# Altium PCB MCU021_V1.0_PCB.PcbDoc (part 3 of 3)
Units mil, origin at the board's own origin, x right, y up, seen from the top; angles counter-clockwise.
Board outline 2300 x 3100 mil, 4 copper layers (Top Layer, GND, Vcc, Bottom Layer), stack 60.63 mil thick; 177 components, 105 nets, 514 pads, 460 vias.
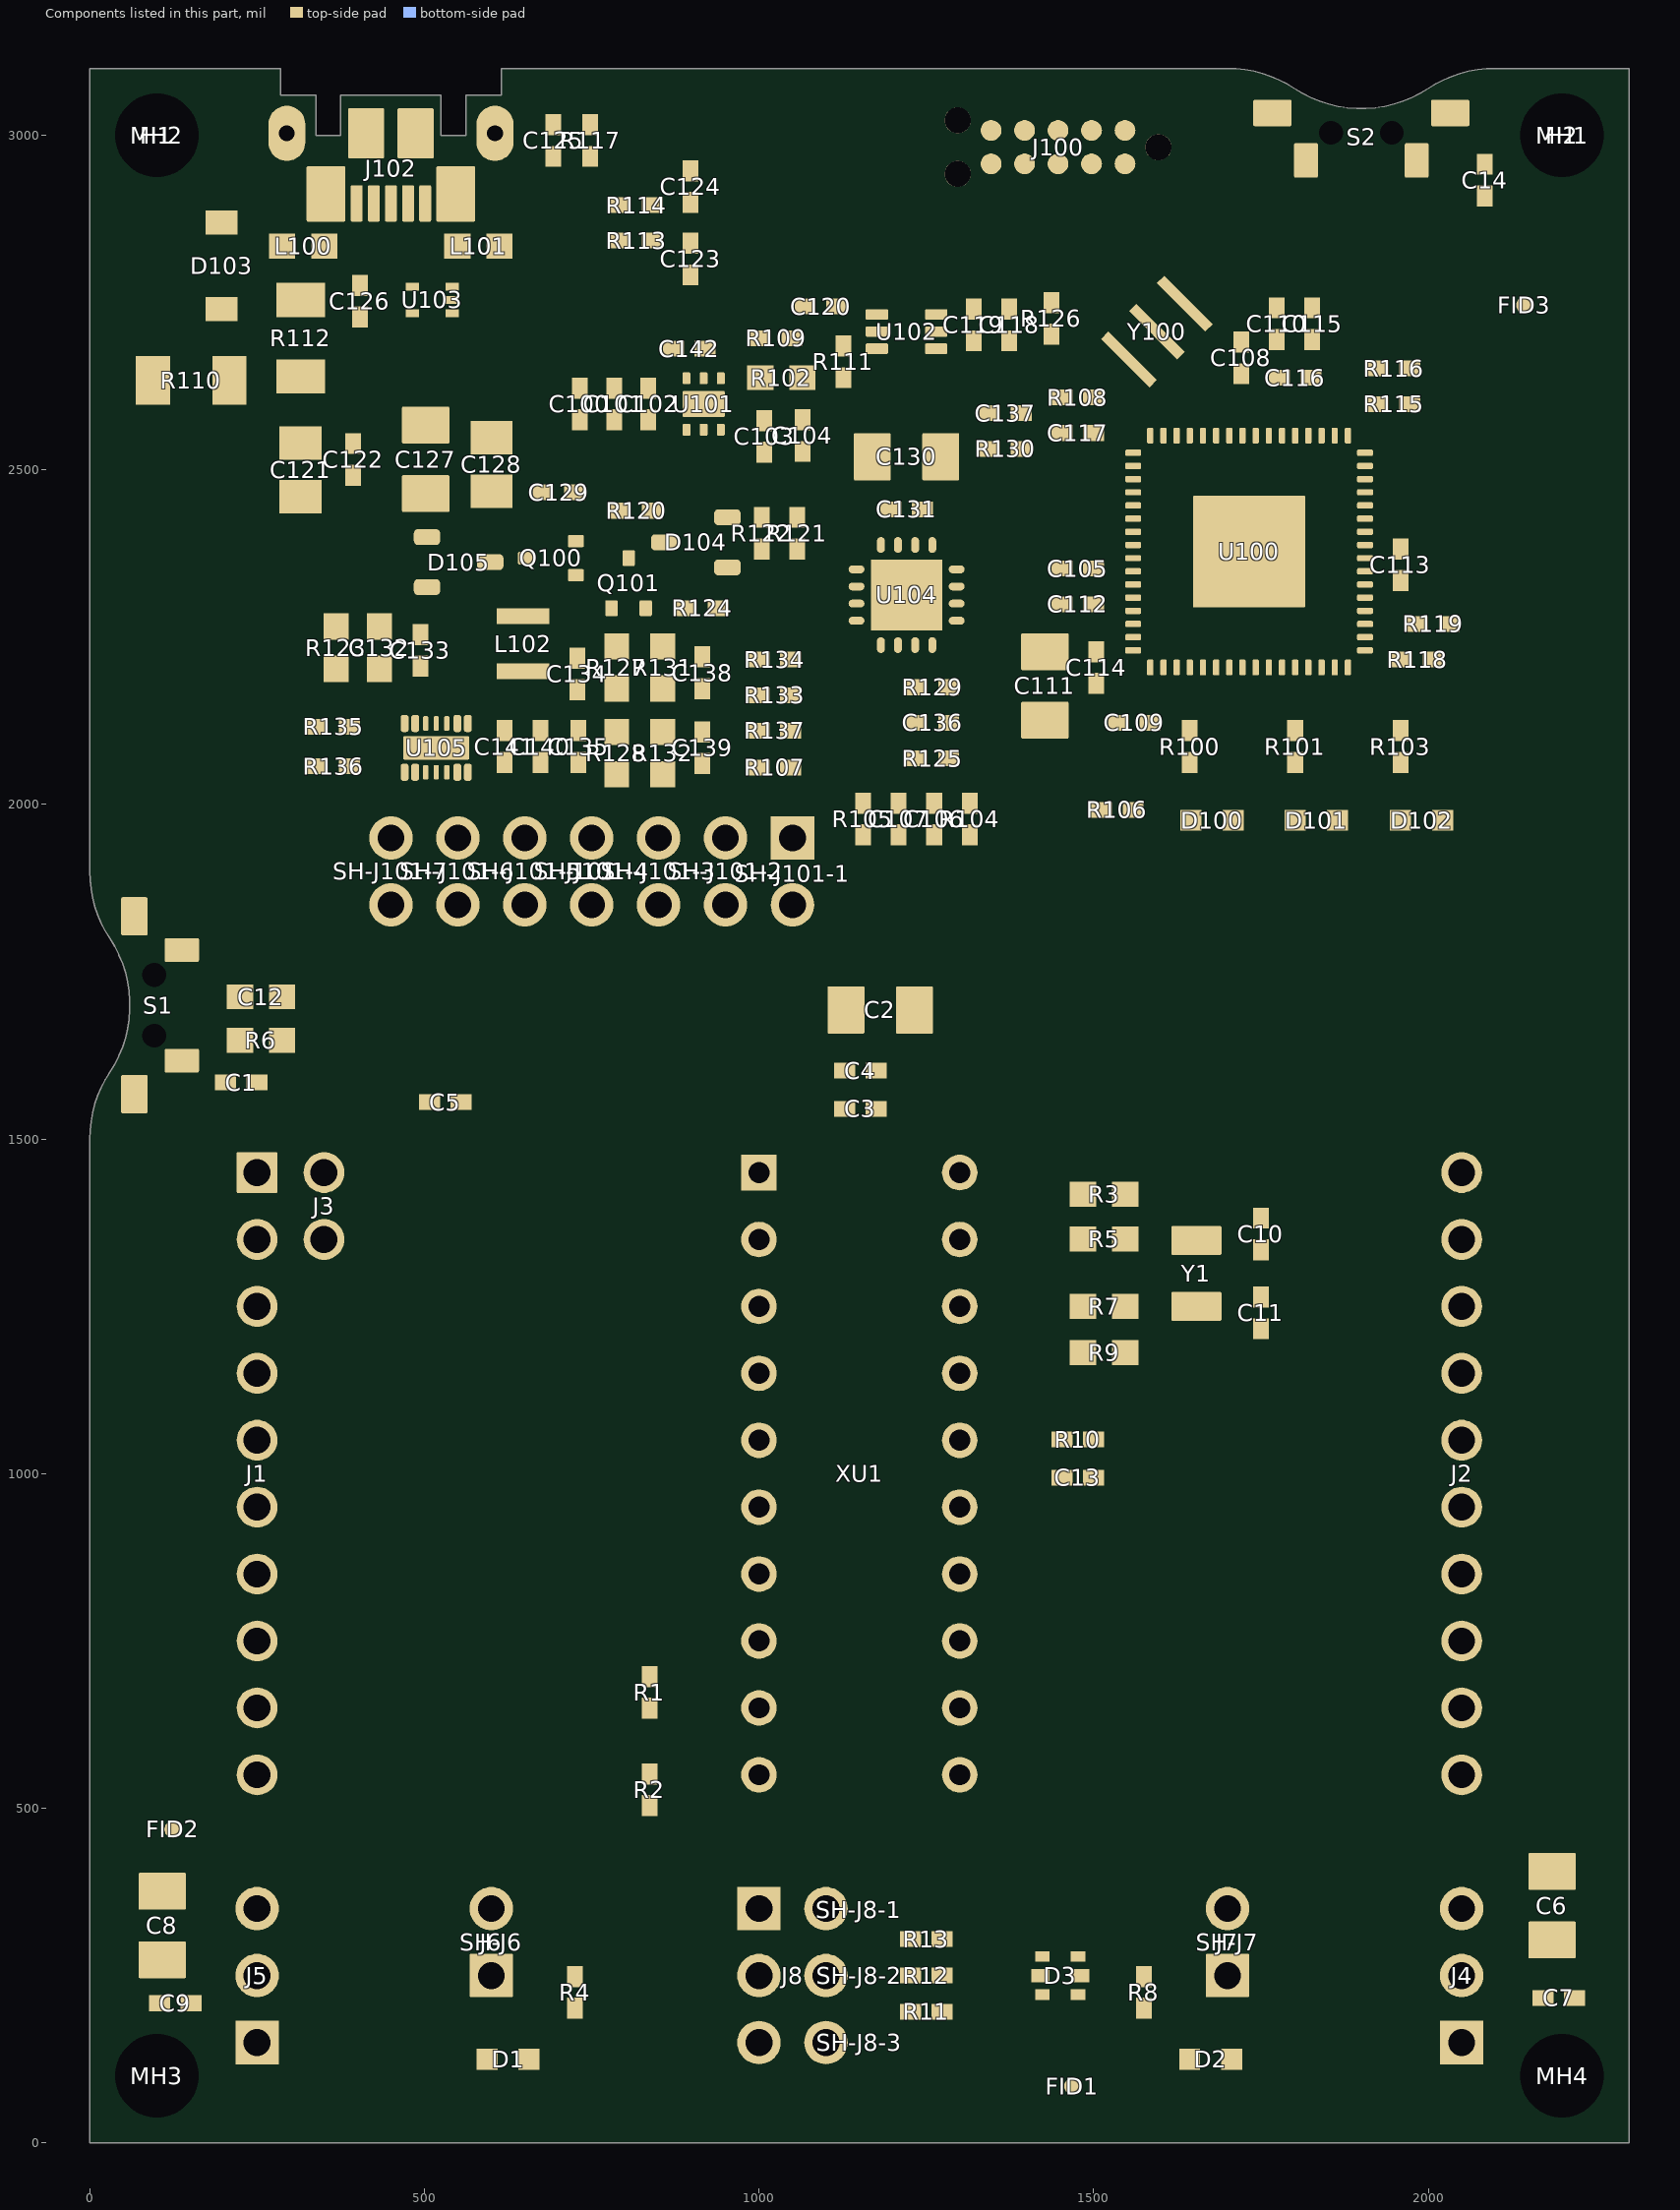
[diagram p5: the components of this part, seen from the top]

## Polygon pours and split planes (outlines as drawn)
EZ_GND on GND "GND-Layer_ezGND" (solid, remove dead copper, pour order 18): 0,1893.22 2003.22,1893.22 2080,1970 2080,2790 1970,2900 1750,2900 1700,2950 1700,3100 0,3100
GND on GND "GND-GND_Target" (solid, remove dead copper, pour order 24): 0,3100 2300,3100 2300,0 0,0
EZFET_VBUS on Top Layer "Top-Layer-ezFET_VBUS" (solid, remove dead copper, pour order 0): 1831.89,2677.17 1893.7,2677.17 1893.7,2779.53 1822.83,2850.39 996.06,2850.39 885.83,2740.16 645.67,2740.16 645.67,2614.76 740.43,2520 858,2520 858,2596 712,2596 712,2686 831.67,2686 849.65,2703.98 952.02,2703.98 972.44,2724.41 1518.9,2724.41 1604.33,2809.84 1808.27,2809.84 1831.89,2786.22 1831.89,2721.65 1809.84,2721.65 1809.84,2677.17
EZ_GND on Top Layer "Top-Layer_ezGND" (solid, remove dead copper, pour order 2): 0,1893.7 2003.7,1893.7 2080,1970 2080,2790 1970,2900 1750,2900 1700,2950 1700,3100 0,3100
GND on Top Layer "Top-GND_Target" (solid, remove dead copper, pour order 26): 0,3100 2300,3100 2300,0 0,0
5.0V on Vcc "Vcc-5v" (solid, pour order 8): 503.94,1874.02 511.81,1881.89 590.55,1881.89 603.15,1869.29 603.15,437.4 282.68,116.93 201.18,116.93 133.07,185.04 133.07,399.61 209.45,475.98 372.83,475.98 392.52,495.67 392.52,1365.75 390.16,1365.75 311.02,1444.88 311.02,1530.32 503.94,1723.23
EZFET_VCC on Vcc "Vcc-ezFET_Vcc" (solid, remove dead copper, pour order 4): 598.43,2177.17 598.43,2137.8 610.24,2125.98 688.98,2125.98 1069.68,2506.69 1535.83,2506.69 1610.24,2432.28 1610.24,2410.24 1546.46,2346.46 1511.81,2346.46 1433.07,2267.72 1374.41,2267.72 1350.39,2243.7 1350.39,2212.6 1370.08,2192.91 1582.28,2192.91 1836.61,2447.24 1883.46,2447.24 1964.57,2366.14 2007.48,2366.14 2015.75,2374.41 2015.75,2401.97 1976.38,2441.34 1933.07,2441.34 1881.89,2492.52 1747.64,2492.52 1644.09,2596.06 1540.16,2596.06 1417.72,2718.5 1417.72,3057.09 1412.2,3062.6 1251.57,3062.6 1201.97,3012.99 1202.36,2804.33 598.03,2200 598.03,2172.44
EZFET_VBUS on Vcc "Vcc-ezFET_VBUS" (solid, remove dead copper, pour order 6): 634.25,2696.85 338.19,2696.85 127.17,2485.83 127.17,1981.1 214.57,1893.7 570.87,1893.7 594.49,1917.32 594.49,1995.67 584.65,2005.51 279.53,2005.51 233.07,2051.97 233.07,2446.85 400.39,2614.17 631.1,2614.17 642.13,2625.2 642.13,2688.98
EZ_GND on Vcc "Vcc-Layer_ezGND" (solid, remove dead copper, pour order 12): 0,1893.69 74374.25,1897.13 1999.76,1889.76 2080,1970 2080,2790 1970,2900 1750,2900 1700,2950 1700,3100 0,3100
GND on Vcc "Vcc-GND_Target" (solid, remove dead copper, pour order 22): 0,3100 2300,3100 2300,0 0,0
3.3V on Vcc "Vcc-3V3" (solid, pour order 10): 981.5,1721.65 995.28,1735.43 1912.2,1735.43 1976.38,1671.26 1976.38,509.45 1998.03,487.8 2053.94,487.8 2125.98,415.75 2186.22,355.51 2186.22,220.87 2082.68,117.32 1890.55,117.32 1827.17,180.71 1827.17,1503.15 1682.68,1647.64 992.52,1647.64 981.5,1658.66
GND on Bottom Layer "Bottom-Layer_GND_Target" (solid, remove dead copper, pour order 28): 0,3100 2300,3100 2300,0 0,0
EZ_GND on Bottom Layer "Bottom-Layer_ezGND" (solid, remove dead copper, pour order 20): 2.36,1893.7 2003.94,1893.7 2080,1969.76 2080,2790 1969.61,2900.39 1749.61,2900.39 1700,2950 1700,3060 2.36,3060

## Keep-outs
Top Layer:
  circle w0.04: c374.02,2775.59 r13.71
  circle w0.04: c1452.76,2520.08 r14.17
  lines w0.04: 39.71,2591.34 162.99,2591.34 ; 39.71,2874.64 50.6,2874.64 ; 460.63,2072.39 460.63,2096.39 ; 678.33,2389.76 698.33,2389.76 ; 906.69,1893.7 1366.14,1893.7 ; 967.64,2066.89 978.31,2066.97 ; 1062.6,2182.48 1062.6,2197.36 ; 1178.35,2629.92 1179.09,2629.92 1186.39,2637.22 ; 1221.06,2086.81 1221.06,2103.37 ; 1221.14,2139.9 1221.14,2156.95 ; 1266.5,2140.26 1266.5,2157.3 ; 1375.96,1954.75 1384.94,1945.77 ; 1430.32,2541.73 1430.32,2566.93 ; 1438.58,2575.59 1466.14,2575.59 ; 1477.8,2710.98 1491.46,2697.32 1495.55,2697.32 ; 1537.8,2732.68 1557.48,2712.99 ; 1569.49,2762.4 1588.19,2743.7 1588.19,2738.98 1585.04,2735.83 1619.29,2701.57 1630.32,2701.57 1649.21,2682.68 1649.21,2677.17 1662.6,2663.78 1662.6,2661.02 ; 1662.99,2651.18 1662.99,2647.24 1653.15,2637.4 1638.58,2637.4 1622.83,2653.15 1617.32,2653.15 1599.61,2670.87 1599.61,2676.38 1601.97,2678.74 1564.96,2715.75 ; 1692.52,2565.35 1692.52,2568.11 1652.36,2608.27 1596.46,2608.27 1593.31,2611.42 1575.59,2611.42 1498.03,2688.98 1498.03,2694.09 1607.09,2803.15 1612.2,2803.15 1689.76,2725.59 1689.76,2720.87 1670.08,2701.18 1670.08,2694.49 1681.5,2683.07 1681.5,2632.68 1732.28,2581.89 1732.28,2566.93 ; 1696.85,2531.5 1729.92,2531.5 ; 1728.35,1246.46 1728.35,1354.72 ; 1731.89,1245.28 1732.28,1245.67 ; 2012.99,1096.85 2012.99,1103.76 2014.17,1104.94 ; 1248.03,1244.09 1283.46,1208.66 ; 1248.03,1244.09 1248.03,1354.33 ; 1248.03,1244.09 1248.03,1354.33 ; 1248.03,1244.09 1283.46,1208.66 ; 1248.03,1354.33 1283.46,1389.76 ; 1248.03,1354.33 1283.46,1389.76 ; 1283.46,1208.66 1401.97,1208.66 ; 1283.46,1208.66 1401.97,1208.66 ; 1283.46,1389.76 1401.57,1389.76 ; 1283.46,1389.76 1401.57,1389.76 ; 1401.57,1389.76 1460.63,1448.82 ; 1401.57,1389.76 1460.63,1448.82 ; 1401.97,1208.66 1461.02,1149.61 ; 1401.97,1208.66 1461.02,1149.61 ; 1460.63,1448.82 1503.94,1448.82 ; 1460.63,1448.82 1503.94,1448.82 ; 1461.02,1149.61 1503.94,1149.61 ; 1461.02,1149.61 1503.94,1149.61 ; 1503.94,1149.61 1515.75,1161.42 ; 1503.94,1149.61 1515.75,1161.42 ; 1503.94,1448.82 1515.75,1437.01 ; 1503.94,1448.82 1515.75,1437.01 ; 1515.75,1161.42 1515.75,1204.72 ; 1515.75,1161.42 1515.75,1204.72 ; 1515.75,1204.72 1523.62,1212.6 ; 1515.75,1204.72 1523.62,1212.6 ; 1515.75,1393.7 1523.62,1385.83 ; 1515.75,1393.7 1515.75,1437.01 ; 1515.75,1393.7 1515.75,1437.01 ; 1515.75,1393.7 1523.62,1385.83 ; 1523.62,1212.6 1673.23,1212.6 ; 1523.62,1212.6 1673.23,1212.6 ; 1523.62,1385.83 1673.23,1385.83 ; 1523.62,1385.83 1673.23,1385.83 ; 1557.48,2712.99 1557.48,2712.99 ; 1557.48,2712.99 1562.2,2712.99 1564.96,2715.75 ; 1564.96,2715.75 1564.96,2715.75 ; 1673.23,1212.6 1692.91,1192.91 ; 1673.23,1212.6 1692.91,1192.91 ; 1673.23,1385.83 1692.91,1405.51 ; 1673.23,1385.83 1692.91,1405.51 ; 1692.91,1192.91 1763.78,1192.91 ; 1692.91,1192.91 1763.78,1192.91 ; 1692.91,1405.51 1763.78,1405.51 ; 1692.91,1405.51 1763.78,1405.51 ; 1763.78,1192.91 1771.65,1200.79 ; 1763.78,1192.91 1771.65,1200.79 ; 1763.78,1405.51 1771.65,1397.64 ; 1763.78,1405.51 1771.65,1397.64 ; 1771.65,1200.79 1771.65,1397.64 ; 1771.65,1200.79 1771.65,1397.64
GND:
  circle w0.04: c1645.75,2655.47 r17.8
  circle w0.04: c1750,1299.21 r18.96
  lines w0.04: 1248.03,1244.09 1283.46,1208.66 1401.97,1208.66 1461.02,1149.61 1503.94,1149.61 1515.75,1161.42 1515.75,1204.72 1523.62,1212.6 1673.23,1212.6 1692.91,1192.91 1763.78,1192.91 1771.65,1200.79 1771.65,1397.64 1763.78,1405.51 1692.91,1405.51 1673.23,1385.83 1523.62,1385.83 1515.75,1393.7 1515.75,1437.01 1503.94,1448.82 1460.63,1448.82 1401.57,1389.76 1283.46,1389.76 1248.03,1354.33 1248.03,1244.09 ; 1498.03,2688.98 1575.59,2611.42 1593.31,2611.42 1596.46,2608.27 1652.36,2608.27 1692.52,2568.11 1692.52,2531.5 1732.28,2531.5 1732.28,2581.89 1681.5,2632.68 1681.5,2683.07 1670.08,2694.49 1670.08,2701.18 1689.76,2720.87 1689.76,2725.59 1612.2,2803.15 1607.09,2803.15 1498.03,2694.09 1498.03,2688.98
Vcc:
  circle w0.04: c1645.75,2655.47 r17.8
  circle w0.04: c1750,1299.21 r22.17
  lines w0.04: 1327.56,1432.68 1376.38,1432.68 ; 1329.13,1464.96 1362.99,1464.96 1378.74,1480.71 1390.16,1480.71 1733.46,1480.71 1803.54,1410.63 1803.54,1330.32 1771.65,1298.43 ; 1393.7,1448.82 1444.88,1448.82 1460.63,1448.82 ; 1477.17,2668.11 1498.03,2688.98 ; 1634.65,2641.34 1634.65,2624.8 1651.18,2608.27 ; 1657.48,2637.8 1658.27,2637.8 1732.28,2563.78 ; 1696.85,2563.78 1725.2,2535.43 ; 1498.03,2688.98 1498.03,2694.09 1607.09,2803.15 1612.2,2803.15 1689.76,2725.59 1689.76,2720.87 1670.08,2701.18 1670.08,2694.49 1681.5,2683.07 1681.5,2632.68 1732.28,2581.89 1732.28,2531.5 1692.52,2531.5 1692.52,2568.11 1652.36,2608.27 1596.46,2608.27 1593.31,2611.42 1575.59,2611.42 1498.03,2688.98 ; 1498.03,2688.98 1498.03,2688.98 ; 1503.94,1448.82 1515.75,1437.01 1515.75,1393.7 1523.62,1385.83 1673.23,1385.83 1692.91,1405.51 1763.78,1405.51 ; 1503.94,1448.82 1392.52,1448.82 1333.46,1389.76 1283.46,1389.76 1248.03,1354.33 1248.03,1244.09 1283.46,1208.66 1401.97,1208.66 1461.02,1149.61 1503.94,1149.61 1515.75,1161.42 1515.75,1204.72 1523.62,1212.6 1673.23,1212.6 1692.91,1192.91 1763.78,1192.91 1771.65,1200.79 1771.65,1397.64 1763.78,1405.51 ; 1503.94,1448.82 1720.47,1448.82 1763.78,1405.51
Bottom Layer:
  circle w0.04: c1645.75,2655.47 r17.8
  circle w0.04: c1750,1299.21 r18.96
  lines w0.04: 422.84,2075.15 422.84,2098.08 ; 912.6,2001.75 912.6,2017.32 ; 1119.74,2048.88 1119.74,2057.42 ; 1638.36,2473.4 1643.26,2478.3 1645.3,2478.3 ; 1813.36,2157.11 1814.35,2157.11 ; 1957.74,2175.26 1970.3,2175.26 ; 1248.03,1244.09 1283.46,1208.66 1401.97,1208.66 1461.02,1149.61 1503.94,1149.61 1515.75,1161.42 1515.75,1204.72 1523.62,1212.6 1673.23,1212.6 1692.91,1192.91 1763.78,1192.91 1771.65,1200.79 1771.65,1397.64 1763.78,1405.51 1692.91,1405.51 1673.23,1385.83 1523.62,1385.83 1515.75,1393.7 1515.75,1437.01 1503.94,1448.82 1460.63,1448.82 1401.57,1389.76 1283.46,1389.76 1248.03,1354.33 1248.03,1244.09 ; 1498.03,2688.98 1575.59,2611.42 1593.31,2611.42 1596.46,2608.27 1652.36,2608.27 1692.52,2568.11 1692.52,2531.5 1732.28,2531.5 1732.28,2581.89 1681.5,2632.68 1681.5,2683.07 1670.08,2694.49 1670.08,2701.18 1689.76,2720.87 1689.76,2725.59 1612.2,2803.15 1607.09,2803.15 1498.03,2694.09 1498.03,2688.98
Keep-Out Layer:
  text ".Layer_Name" at -661.78,-1804.56 h60

## Other copper
Top Layer:
  region net 3.3V: 814.96,1429.53 948.43,1562.99 948.43,1590.16 1026.77,1511.81 1026.77,1448.03 949.21,1370.47 814.96,1370.47
  region net 5.0V: 140.94,301.18 143.7,301.18 236.22,208.66 275.59,208.66 291.34,192.91 291.34,122.05 283.46,114.17 208.66,114.17 128.35,194.49 128.35,232.28 116.14,232.28 102.36,246.06 102.36,262.6
  region net EZFET_VCC: 1905.51,2372.83 1916.14,2372.83 1940.94,2397.64 1948.43,2397.64 1948.43,2367.72 1944.09,2363.39 1905.51,2363.39
  region net EZFET_VCC: 1479.92,2318.9 1519.68,2318.9 1535.43,2334.65 1570.87,2334.65 1574.8,2330.71 1574.8,2326.77 1570.87,2322.83 1547.24,2322.83 1535.43,2311.02 1535.43,2259.84 1539.37,2255.91 1570.87,2255.91 1574.8,2251.97 1574.8,2248.03 1570.87,2244.09 1539.37,2244.09 1535.43,2240.16 1535.43,2208.66 1531.5,2204.72 1484.25,2204.72 1472.44,2192.91 1370.08,2192.91 1350.39,2212.6 1350.39,2240.16 1370.08,2259.84 1437.01,2259.84 1456.69,2279.53 1472.44,2279.53 1476.38,2283.46 1476.38,2315.35
  region net EZFET_USB_SHIELD: 263.78,3038.78 272.24,3047.24 314.96,3047.24 326.77,3035.43 326.77,2984.25 330.71,2980.31 377.95,2980.31 385.83,2988.19 385.83,3038.98 387.4,3040.55 512.6,3040.55 514.17,3038.98 514.17,2986.61 520.47,2980.31 570.87,2980.31 574.8,2984.25 574.8,3031.5 590.55,3047.24 763.78,3047.24 767.72,3043.31 767.72,3000 763.78,2996.06 641.73,2996.06 637.8,2992.13 637.8,2976.38 582.68,2921.26 582.68,2874.02 574.8,2866.14 519.68,2866.14 516.54,2869.29 516.54,2932.28 511.81,2937.01 389.37,2937.01 383.46,2931.1 383.46,2871.65 377.95,2866.14 322.83,2866.14 318.9,2870.08 318.9,2952.76 314.96,2956.69 272.05,2956.69 263.78,2964.96
  region net NetD105_3: 574.8,2389.76 669.29,2389.76 696.85,2362.2 696.85,2263.78 692.91,2259.84 606.3,2259.84 602.36,2263.78 602.36,2283.46 570.87,2314.96 570.87,2385.83
  region net NetJ102_1: 326.77,2854.33 330.71,2858.27 381.89,2858.27 389.76,2866.14 389.76,2924.02 391.34,2925.59 406.3,2925.59 407.87,2924.02 407.87,2814.96 403.94,2811.02 330.71,2811.02 326.77,2814.96
  region net NetJ102_5: 574.8,2854.33 570.87,2858.27 518.11,2858.27 510.24,2866.14 510.24,2924.02 508.66,2925.59 493.7,2925.59 492.13,2924.02 492.13,2814.96 496.06,2811.02 570.87,2811.02 574.8,2814.96
  region net NetD103_2: 311.02,2893.7 307.09,2897.64 82.64,2897.64 55.12,2870.12 55.12,2602.36 59.45,2598.03 145.67,2598.03 149.61,2602.36 149.61,2795.28 165.35,2811.02 307.48,2811.02 311.02,2814.57
  region net EZFET_5V: 169.29,2677.16 173.23,2681.1 377.95,2681.1 464.57,2594.49 649.21,2594.49 735.83,2507.87 807.09,2507.87 811.02,2503.94 811.03,2409.45 794.88,2393.31 771.26,2393.31 759.84,2381.89 712.6,2381.89 704.72,2389.76 704.72,2476.77 677.56,2503.94 429.13,2503.94 417.32,2515.75 366.14,2515.75 358.27,2507.87 173.23,2507.87 169.29,2511.81
  region net EZFET_VBUS: 173.23,2791.34 169.29,2787.4 169.29,2704.72 173.23,2700.79 389.76,2700.79 476.38,2614.17 659.06,2614.17 659.05,2740.16 531.5,2740.16 503.94,2712.6 456.69,2712.6 421.26,2748.03 385.83,2748.03 358.27,2748.03 354.33,2751.97 354.33,2787.4 350.39,2791.34
  region net EZFET_VCCOUT: 405.51,2185.04 409.45,2181.1 460.63,2129.92 460.63,2110.63 462.99,2108.27 490.16,2108.27 492.13,2110.24 492.13,2169.29 503.94,2181.1 669.29,2181.1 708.66,2141.73 708.66,2090.55 712.6,2086.61 818.9,2086.61 822.83,2090.55 822.83,2188.98 816.93,2194.88 712.6,2194.88 679.13,2228.35 409.45,2228.35 405.51,2224.41
  region net EZFET_VCC: 547.24,2133.86 568.56,2133.86 571.32,2131.1 587.8,2131.1 618.11,2161.42 673.23,2161.42 696.85,2137.8 696.85,2090.55 586.61,2090.55 568.9,2108.27 547.24,2108.27
  region net NetC132_2: 374.02,2285.43 425.2,2285.43 425.2,2246.06 374.02,2246.06
  region net EZFET_VCCTARGET: 464.57,2008.33 468.5,2004.39 572.49,2004.39 606.3,1970.58 606.3,1915.36 608.27,1913.39 688.98,1913.39 692.91,1917.32 692.91,2035.43 689.37,2038.98 570.47,2038.98 543.31,2038.98 543.31,2035.43 539.37,2031.5 496.06,2031.5 492.13,2035.43 492.13,2057.09 464.57,2057.09
  region net EZ_GND: 270.87,2501.48 362.6,2501.58 368.9,2507.87 416.16,2507.87 426.38,2497.65 673.58,2497.29 698.43,2472.44 698.43,2435.04 680.71,2417.32 559.06,2417.32 555.12,2413.39 555.12,2271.26 518.5,2234.65 471.65,2234.65 471.65,2276.38 347.24,2400.79 279.92,2400.79 270.87,2409.84
  region net EZ_GND: 389.76,2228.35 389.76,2181.1 385.83,2177.17 279.53,2177.17 275.59,2181.1 275.59,2225.2 278.74,2228.35
  region net EZ_GND: 578.74,2078.74 712.6,2078.74 712.6,2047.24 578.74,2047.24
  region net EZFET_VCC: 1043.31,2657.48 1047.24,2661.42 1137.8,2661.42 1216.54,2582.68 1216.54,2375.98 1173.23,2375.98 1173.23,2388.77 1129.92,2432.08 1129.92,2541.73 1112.6,2559.06 1046.46,2559.06 1043.31,2562.2
  region net EZ_GND: 1903.94,2357.48 1963.39,2357.48 1970.47,2350.39 1970.47,2339.53 1903.94,2339.53
  region net 3.3V: 998.03,1742.13 1161.42,1742.13 1181.1,1722.44 1181.1,1658.66 1149.61,1627.17 1149.61,1442.13 1130.71,1423.23 964.96,1423.23 948.82,1439.37 948.82,1600.79 992.13,1644.09 991.73,1644.49 991.73,1735.83
  region net 3.3V: 2220.47,277.17 2220.47,263.78 2192.91,236.22 2192.91,200.79 2173.23,181.1 2153.94,181.1 2090.55,117.72 2017.72,117.72 2017.72,182.28 2083.86,182.28 2149.61,248.03 2149.61,277.17
  region net EZFET_VBUS: 852,2596 858,2596 884,2570 902,2570 904,2568 904,2550 910,2544 924,2544 930,2550 930,2568 932,2570 948,2570 950,2568 950,2526 944,2520 852,2520
  region net EZFET_LDOOUT: 930,2644 936,2650 950,2650 980,2680 980,2710 986,2716 1020,2716 1026,2710 1026,2552 1024,2550 984,2550 980,2554 980,2596 950,2626 934,2626 930,2630
  text ".Layer_Name" at -661.78,-1804.56 h60
GND:
  text ".Layer_Name" at -661.78,-1804.56 h60
Vcc:
  text ".Layer_Name" at -661.78,-1799.8 h60
Bottom Layer:
  text ".Layer_Name" at -661.78,-1804.56 h60

## Silkscreen, mask and mechanical layers (free items; w line width, h text height)
Top Overlay:
  circle w10: c1064,2018 r4.06
  circle w19.68: c893.7,1435.04 r9.84
  rectangle: 1429,1628.97 1454,1678.97
  rectangle: 1549,1626.97 1574,1676.97
  rectangle: 1721,1626.97 1746,1676.97
  rectangle: 1680,1626.97 1705,1676.97
  lines w2.36: 848,2526 856,2526 880,2550
  lines w3.94: 236.22,2311.02 236.22,2429.13 ; 236.22,2362.2 460.63,2362.2 ; 240.16,2529.53 240.16,2559.06 267.32,2586.22 267.32,2594.49 ; 271.65,1968.5 279.53,1968.5 279.53,2015.75 299.21,2035.43 299.21,2118.11 307.09,2118.11 ; 271.65,2011.81 279.53,2011.81 ; 275.59,2062.99 275.59,2271.65 ; 275.59,2157.48 688.98,2157.48 ; 279.53,2874.02 279.53,2901.57 ; 299.21,2059.06 307.09,2059.06 ; 389.76,2019.68 433.07,2019.68 452.76,2039.37 ; 401.57,2322.83 433.07,2322.83 433.07,2299.21 ; 460.63,2314.96 460.63,2421.26 ; 622.05,2145.67 622.05,2157.48 ; 646.85,1536.81 690.16,1536.81 ; 646.85,1566.34 690.16,1566.34 ; 654.72,1464.57 654.72,1507.87 ; 684.25,1464.57 684.25,1507.87 ; 688.98,2145.67 688.98,2157.48 ; 688.98,2173.23 688.98,2157.48 ; 688.98,3040.13 688.98,3070.87 716.54,3070.87 ; 838.58,2925.2 838.58,2976.38 ; 992.13,2357.51 992.13,2326.77 996.06,2326.77 ; 1078.74,2370.08 1102.36,2370.08 1102.36,2381.89 ; 1287.4,2622.05 1303.21,2622.05 1320.11,2605.15 ; 1318.9,2066.93 1326.77,2066.93 ; 1318.9,2125.98 1326.77,2125.98 ; 1318.9,2173.23 1326.77,2173.23 1326.77,2066.93 ; 1354.33,1991.54 1362.2,1991.54 ; 1354.33,2035.43 1362.2,2035.43 ; 1362.2,1948.82 1354.33,1948.82 1354.33,2051.97 1351.18,2055.12 1338.58,2055.12 1326.77,2066.93 ; 1430.51,2644.29 1440.94,2644.29 1440.94,2629.92 ; 1488.19,2098.43 1488.19,2156.72 ; 1594.92,2062.99 1594.92,2100.75 ; 638.98,1550.59 698.03,1550.59 ; 638.98,1550.59 638.98,1580.12 698.03,1580.12 698.03,1550.59 ; 638.98,1550.59 698.03,1550.59 ; 638.98,1550.59 638.98,1521.06 698.03,1521.06 698.03,1550.59 ; 668.5,1456.69 668.5,1515.75 ; 668.5,1456.69 698.03,1456.69 698.03,1515.75 668.5,1515.75 ; 668.5,1456.69 668.5,1515.75 ; 668.5,1456.69 638.98,1456.69 638.98,1515.75 668.5,1515.75
  lines w5: 1605,1531.97 1605,1720 ; 1385,1531.97 1808,1531.97 1808,1720 1385,1720 1385,1531.97 ; 1429,1628.97 1454,1628.97 1454,1678.97 1429,1678.97 1429,1628.97 ; 1469,1628 1494,1628 1494,1678 1469,1678 1469,1628 ; 1509,1626.97 1509,1676.97 1534,1676.97 1534,1626.97 1509,1626.97 ; 1549,1626.97 1574,1626.97 1574,1676.97 1549,1676.97 1549,1626.97 ; 1640,1626.97 1640,1676.97 1665,1676.97 1665,1626.97 1640,1626.97 ; 1680,1626.97 1680,1676.97 1705,1676.97 1705,1626.97 1680,1626.97 ; 1721,1626.97 1746,1626.97 1746,1676.97 1721,1676.97 1721,1626.97 ; 1760,1627 1766.25,1627 1778.75,1627 1785,1627 1785,1677 1760,1677 1760,1627
  lines w7.87: 0,800 100,800 ; 0,1896.06 100,1896.06 ; 200,800 300,800 ; 200,1896.06 300,1896.06 ; 400,800 500,800 ; 400,1896.06 500,1896.06 ; 600,800 700,800 ; 600,1896.06 700,1896.06 ; 800,800 900,800 ; 800,1896.06 900,1896.06 ; 1000,800 1100,800 ; 1000,1896.06 1100,1896.06 ; 1200,800 1300,800 ; 1400,800 1500,800 ; 1400,1896.06 1500,1896.06 ; 1600,800 1700,800 ; 1600,1896.06 1700,1896.06 ; 1800,800 1900,800 ; 1800,1896.06 1900,1896.06 ; 2000,800 2100,800 ; 2000,1896.06 2100,1896.06 ; 2118.11,1082.68 2240.16,1082.68 ; 2200,800 2300,800 ; 2200,1896.06 2300,1896.06
  text "Reset" at 1866.14,2881.89 h39.37
  text "MSP-EXP430G2ET" at 2153.54,1929.13 h49.21 r90
  text ".PRJ_Number Rev..PCB_Rev, (c) Sep 2017" at 2216.54,1925.2 h29.53 r90
  text "eZ-FET Debug Probe Rev.2.0" at 2287.4,1921.26 h29.53 r90
  text "Mode" at 1629.92,1909.45 h29.53
  text "Power" at 1783.46,1909.45 h29.53
  text "LDO" at 1960.63,1908.39 h29.53
  text "MSP430G2xxx" at 1590.55,1846.46 h29.53
  text "P1.3" at 177.17,1822.83 h39.37
  text "Crystal Selection / Resistors" at 1360,1730 h30
  text "R9" at 1430,1688 h20
  text "R3" at 1544,1688 h20
  text "R7" at 1670,1686.97 h20
  text "R5" at 1720,1686 h20
  text "P2.7" at 1405,1596.97 h20
  text "P2.6" at 1525,1596.97 h20
  text "XOUT" at 1630,1596 h20
  text "XIN" at 1722,1594 h20
  text "J2 Pins" at 1400,1551.97 h29.53
  text "Crystal" at 1615,1551.97 h29.53
  text "HW-UART" at 708.66,1534.84 h29.53
  text "(Default)" at 1384.45,1480.71 h30
  text "SW-UART" at 708.66,1470.47 h29.53
  text "PWM" at 1868.11,1332.68 h39.37
  text "P1.0" at 39.37,1330.71 h39.37
  text "P2.6" at 2127.95,1331.1 h39.37
  text "I/O" at 1875.98,1232.28 h39.37
  text "P1.1" at 39.37,1230.71 h39.37
  text ">> RXD" at 327.95,1231.1 h39.37
  text "P2.7" at 2127.95,1231.1 h39.37
  text "P1.2" at 39.37,1130.71 h39.37
  text "<< TXD" at 327.95,1131.1 h39.37
  text "TEST" at 2127.95,1131.1 h39.37
  text "P1.3" at 39.37,1030.71 h39.37
  text "I/O" at 327.95,1031.1 h39.37
  text "RST" at 2127.95,1031.1 h39.37
  text "P1.4" at 39.37,930.71 h39.37
  text "A4" at 327.95,931.1 h39.37
  text "P1.7" at 2127.95,931.1 h39.37
  text "MOSI" at 1844.49,929.13 h39.37
  text "MSP430G2xxx" at 920,900 h39.37 r90
  text "P1.5" at 39.37,830.71 h39.37
  text "SCLK" at 327.95,831.1 h39.37
  text "P1.6" at 2127.95,831.1 h39.37
  text "MISO" at 1838.58,828.74 h39.37
  text "14 Pin" at 1503.94,822.83 h39.37
  text "20 Pin" at 1496.06,740.16 h39.37
  text "P2.0" at 39.37,730.71 h39.37
  text "I/O" at 327.95,731.1 h39.37
  text "P2.5" at 2127.95,731.1 h39.37
  text "I/O" at 1877.95,730.32 h39.37
  text "P2.1" at 39.37,630.71 h39.37
  text "SCL(SW)*" at 327.95,631.1 h39.37
  text "P2.4" at 2127.95,631.1 h39.37
  text "I/O" at 1877.95,629.92 h39.37
  text "I/O" at 1877.95,531.5 h39.37
  text "P2.2" at 39.37,530.71 h39.37
  text "SDA(SW)*" at 327.95,531.1 h39.37
  text "P2.3" at 2127.95,531.1 h39.37
  text "I2C-Pullups" at 909.45,444.88 h29.53 r90
  text "P1.0" at 539.37,421.26 h39.37
  text "P1.6" at 1637.8,413.39 h39.37
  text "P2.3" at 789.37,330.71 h39.37
  text "G" at 1163.39,326.77 h39.37
  text "P2.1" at 789.37,230.71 h39.37
  text "R" at 1163.39,226.38 h39.37
  text "P2.5" at 789.37,130.71 h39.37
  text "B" at 1163.39,125.98 h39.37
  text ".Layer_Name" at -661.78,-1804.56 h60
Bottom Overlay:
  drawing of 4590 lines, arcs and shapes, not listed
  text "P2.6" at 2264.57,1332.28 h39.37
  text "P1.0" at 175.2,1331.1 h39.37
  text "P2.7" at 2264.57,1232.28 h39.37
  text "P1.1" at 175.2,1231.1 h39.37
  text "TEST" at 2264.57,1132.28 h39.37
  text "P1.2" at 175.2,1131.1 h39.37
  text "RST" at 2264.57,1032.28 h39.37
  text "P1.3" at 175.2,1031.1 h39.37
  text "P1.7" at 2264.57,932.28 h39.37
  text "P1.4" at 175.2,931.1 h39.37
  text "P1.6" at 2264.57,832.28 h39.37
  text "P1.5" at 175.2,831.1 h39.37
  text "P2.5" at 2264.57,732.28 h39.37
  text "P2.0" at 175.2,731.1 h39.37
  text "P2.4" at 2264.57,632.28 h39.37
  text "P2.1" at 175.2,631.1 h39.37
  text "P2.3" at 2264.57,532.28 h39.37
  text "P2.2" at 175.2,531.1 h39.37
  text ".Layer_Name" at -661.78,-1804.56 h60
Top Paste:
  text ".Layer_Name" at -661.78,-1804.56 h60
Bottom Paste:
  text ".Layer_Name" at -661.78,-1804.56 h60
Top Solder:
  text ".Layer_Name" at -661.78,-1804.56 h60
  text ".Layer_Name" at -661.78,-1804.56 h60
Bottom Solder:
  text ".Layer_Name" at -661.78,-1804.56 h60
Drill Guide:
  text ".Layer_Name" at -661.78,-1804.56 h60
M1 Board Outline:
  lines w10: 0,0 2300,0 2300,1500 2300,3100 2100,3100 ccw(c2100,2918.33) 2000,3070 cw(c1900,3221.67) 1800,3070 ccw(c1700,2918.33) 1700,3100 615,3100 615,3060 562,3060 562,3000 525,3000 525,3060 375,3060 375,3000 338,3000 338,3060 285,3060 285,3100 0,3100 0,1900 ccw(c181.67,1900) 30,1800 cw(c-121.67,1700) 30,1600 ccw(c181.67,1500) 0,1500 0,0
  text ".Layer_Name" at -661.78,-1804.56 h60
M2 Board Dimensions:
  rectangle: -1113.78,-1346.06 -738.78,-1221.06
  rectangle: -1238.78,-1221.06 -1113.78,-1096.06
  lines w7: -1238.78,-1221.06 -238.78,-1221.06 ; -1113.78,-1346.06 -1113.78,-1096.06 ; -988.78,-1346.06 -988.78,-1096.06 ; -738.78,-1346.06 -738.78,-1096.06 ; -488.78,-1346.06 -488.78,-1096.06 ; -1238.78,-1346.06 -1238.78,-1096.06 -238.78,-1096.06 -238.78,-1346.06 -1238.78,-1346.06
  lines w10: 1776,3100 1776,3158 1982,3364 2052.5,3364 ; 1900,3062 1900,3180 1984,3264 2060,3264 ; 2020,3100 2020,3154 2045,3179 2060,3179 ; 2045,3364 2060,3364 ; 2530,3099 2555,3124 2555,3414 2530,3439
  text "Radius 181.667" at 2080,3339 h72.83
  text "Radius 181.667" at 2080,3244 h72.83
  text "2 Places" at 2580,3244 h72.83
  text "Radius 181.667" at 2080,3154 h72.83
  text ".Layer_Name" at -661.78,-1804.56 h60
M3 3D STEP Top:
  text ".Layer_Name" at -661.78,-1804.56 h60
M4 3D STEP Bottom:
  text ".Layer_Name" at -661.78,-1804.56 h60
M5 Assembly Top:
  lines w10: -1530.78,-1876.23 5069.22,-1876.23 ; -1530.78,-1672.9 5071.22,-1672.9 ; -1530.78,-1469.56 -1530.78,-2079.56 2474.22,-2079.56 5071.22,-2079.56 5071.22,-1469.56 -1530.28,-1469.56 -1530.28,-2079.56 45.22,-2079.56 ; 934.22,-2079.56 934.22,-1469.56 ; 2201.22,-1672.9 2201.22,-1469.56 ; 3041.22,-1672.9 3041.22,-1469.56 ; 3663.22,-2086.06 3663.22,-1883.23
  text "COMPONENTS MARKED 'DNP' SHOULD NOT BE POPULATED." at -85.28,-1264.56 h60
  text "ASSEMBLY VARIANT:" at -85.78,-1380.06 h60
  text ".VariantName" at 950.22,-1380.06 h60
  text "PCB VIEWED FROM TOP SIDE" at -1467.28,-1601.73 h60
  text "BOARD #:" at 1009.22,-1601.73 h60
  text ".PRJ_Number" at 1554.72,-1601.73 h60
  text "REV:" at 2399.22,-1601.73 h60
  text ".PCB_Rev" at 2690.72,-1601.73 h60
  text "SVN REV:" at 3237.22,-1601.73 h60
  text ".VersionControl_RevNumber" at 3743.22,-1601.73 h60
  text "TID #:" at 1009.22,-1805.06 h60
  text ".TID" at 1554.72,-1805.06 h60
  text "PLOT NAME =" at -1467.28,-2010.4 h60
  text ".plot_File_Name" at -661.78,-2010.4 h60
  text "GENERATED    :" at 1011.22,-2010.4 h60
  text ".Print_Date" at 1880.72,-2010.4 h60
  text ".Print_Time" at 2609.72,-2010.4 h60
  text "TEXAS INSTRUMENTS" at 3874.22,-2010.4 h60
M6 Assembly Bottom:
  lines w10: -1531.28,-1673.4 5070.72,-1673.4 ; -1529.28,-1876.73 5070.72,-1876.73 ; -123.28,-2086.56 -123.28,-1883.73 ; 498.72,-1673.4 498.72,-1470.06 ; 1338.72,-1673.4 1338.72,-1470.06 ; 2605.72,-2080.06 2605.72,-1470.06 ; 3494.72,-2080.06 5070.22,-2080.06 5070.22,-1470.06 -1531.28,-1470.06 -1531.28,-2080.06 1065.72,-2080.06 5070.72,-2080.06 5070.72,-1470.06
  text "COMPONENTS MARKED 'DNP' SHOULD NOT BE POPULATED." at 4863.22,-1264.06 h60
  text ".VariantName" at 3819.22,-1380.06 h60
  text "ASSEMBLY VARIANT:" at 4858.22,-1380.06 h60
  text ".VersionControl_RevNumber" at -203.28,-1602.23 h60
  text "SVN REV:" at 302.72,-1602.23 h60
  text ".PCB_Rev" at 849.22,-1602.23 h60
  text "REV:" at 1140.72,-1602.23 h60
  text ".PRJ_Number" at 1985.22,-1602.23 h60
  text "BOARD #:" at 2530.72,-1602.23 h60
  text "PCB VIEWED FROM BOTTOM SIDE" at 5007.22,-1602.23 h60
  text ".TID" at 1985.22,-1805.56 h60
  text "TID #:" at 2530.72,-1805.56 h60
  text "TEXAS INSTRUMENTS" at -334.28,-2010.9 h60
  text ".Print_Time" at 930.22,-2010.9 h60
  text ".Print_Date" at 1659.22,-2010.9 h60
  text "GENERATED    :" at 2528.72,-2010.9 h60
  text ".plot_File_Name" at 4201.72,-2010.9 h60
  text "PLOT NAME =" at 5007.22,-2010.9 h60
M9 Title Sheet:
  drawing of 57 lines, arcs and shapes, not listed
  text "1" at -498.94,7090.44 h70
  text "2" at 1996.72,7090.44 h70
  text "3" at 4486.06,7090.44 h70
  text "4" at 6992.73,7090.44 h70
  text "5" at 9491.72,7090.44 h70
  text "6" at 11996.72,7090.44 h70
  text "A" at -1655.28,5947.44 h70
  text "A" at 13144.72,5947.44 h70
  text "B" at -1655.28,3567.44 h70
  text "B" at 13144.72,3567.44 h70
  text "C" at -1655.28,1192.44 h70
  text "C" at 13144.72,1192.44 h70
  text "PROJECT TITLE:" at 10104.72,-668.56 h45
  text ".PRJ_Title" at 10154.72,-801.89 h70
  text "DESIGNED FOR:" at 10104.72,-969.56 h45
  text ".PRJ_Customer" at 10154.72,-1109.56 h70
  text "D" at -1655.28,-1177.56 h70
  text "D" at 13144.72,-1177.56 h70
  text "FILE NAME:" at 10104.72,-1269.56 h45
  text ".PCB_File_Name_No_Path" at 10154.72,-1389.56 h70
  text "Texas Instruments (TI) and/or its licensors do not warrant the accuracy or completeness of this specification" at 5135.22,-1551.4 h45
  text "ENGINEER:" at 10104.72,-1559.56 h45
  text "LAYOUT BY:" at 11609.72,-1559.56 h45
  text "or any information contained therein. TI and/or its licensors do not warrant that this design will meet" at 5090.24,-1664.07 h45
  text ".PRJ_Engineer" at 10154.72,-1714.56 h70
  text ".PCB_Layout" at 11660.22,-1714.56 h70
  text "the specifications, will be suitable for your application or fit for any particular purpose, or will operate in" at 5090.24,-1776.73 h45
  text ".Layer_Name" at -661.78,-1804.56 h60
  text "ALTIUM DESIGNER VERSION:" at 11609.72,-1869.56 h45
  text "an implementation. TI and/or its licensors do not warrant that the design is production worthy. You should" at 5090.24,-1889.4 h45
  text "completely validate and test your design implementation to confirm the system functionality for your application." at 5135.22,-2002.06 h45
  text ".print_Scale" at 10154.72,-2002.89 h70
  text ".Application_BuildNumber" at 11660.22,-2002.89 h70
  text "1" at -498.94,-2209.56 h70
  text "2" at 1996.72,-2209.56 h70
  text "3" at 4486.06,-2209.56 h70
  text "4" at 6992.73,-2209.56 h70
  text "5" at 9491.72,-2209.56 h70
  text "6" at 11996.72,-2209.56 h70
M10 Fab Notes:
  drawing of 173 lines, arcs and shapes, not listed
  text "DESIGN INFORMATION" at 11139.24,5254.94 h60
  text "MIN. TRACK WIDTH:" at 10494.68,5074.94 h60
  text "6" at 11590.92,5074.94 h60
  text "MIL" at 11745.68,5074.94 h60
  text "0.15" at 11515.75,4944.88 h60
  text "MIN. CLEARANCE:" at 10494.68,4942.94 h60
  text "mm" at 11745.68,4942.94 h60
  text "MIN. VIA PAD SIZE:" at 10494.68,4810.94 h60
  text "0.5" at 11535.43,4811.02 h60
  text "mm" at 11745.68,4810.94 h60
  text "0.150mm (6MIL)" at 11189.68,4669.23 h60
  text "MINIMUM ANNULAR RING" at 10165.45,4664.94 h60
  text "EXTERNAL" at 11897.68,4664.94 h60
  text "PER" at 10365.45,4546.94 h60
  text "IPC-D-275 CLASS 2 LEVEL C" at 10585.45,4546.94 h60
  text "MIL, HOLES" at 12073.68,4434.65 h60
  text "+/-" at 11681.22,4433.94 h60
  text "+/-" at 12535.22,4433.94 h60
  text "REGISTRATION TOLERANCES:" at 10165.45,4428.94 h60
  text "METAL" at 11365.22,4428.94 h60
  text "5" at 11941.42,4428.94 h60
  text "3" at 12774.42,4428.94 h60
  text "MIL" at 12890.68,4428.94 h60
  text "+/-" at 12535.22,4315.94 h60
  text "HOLE SIZE TOLERANCE (UNLESS OTHERWISE SPECIFIED):" at 10165.45,4310.94 h60
  text "3" at 12774.42,4310.94 h60
  text "MIL" at 12890.68,4310.94 h60
  text "MATERIAL:" at 10090.68,4101.48 h60
  text "FR-4 High Tg" at 11077.12,3961.14 h60
  text "FR-408" at 10511.68,3952.57 h60
  text "OTHER" at 11999.68,3952.57 h60
  text "X" at 10922.22,3948.94 h60
  text "62 MIL (1.6mm) +/-10%" at 10831.78,3789.86 h60
  text "THICKNESS:" at 10165.45,3785.58 h60
  text "X" at 10703.62,3785.58 h60
  text "OTHER" at 12116.68,3785.58 h60
  text "TOLERANCE:" at 10165.45,3627.58 h60
  text "X" at 11004.75,3627.58 h60
  text "ANSI IPC-6012 TYPE 3 CLASS 2" at 11191.7,3627.58 h60
  text "OTHER +/-" at 11191.68,3471.58 h60
  text "BOW & TWIST:" at 10165.45,3314.58 h60
  text "X" at 11004.75,3314.58 h60
  text "ANSI IPC-6012 TYPE 3 CLASS 2" at 11191.7,3314.58 h60
  text "OTHER +/-" at 11191.68,3156.07 h60
  text "DRILLING:" at 10090.68,3017.58 h60
  text "REFERENCE:" at 10165.45,2900.58 h60
  text "X" at 10813.68,2900.58 h60
  text "AS SHOWN" at 11000.68,2900.58 h60
  text "X" at 11714.68,2900.58 h60
  text "NC_DRILL FILES" at 11851.68,2900.58 h60
  text "PTH COPPER THICKNESS:" at 10165.45,2742.58 h60
  text "X" at 11295.68,2742.58 h60
  text "20-30 um" at 11432.68,2742.58 h60
  text "OTHER" at 12149.68,2742.58 h60
  text "BOARD FINISH:" at 10090.68,2583.58 h60
  text "SILKSCREEN:" at 10245.9,2465.58 h60
  text "X" at 11194.68,2465.58 h60
  text "TOP" at 11320.68,2465.58 h60
  text "X" at 11704.68,2465.58 h60
  text "BOTTOM" at 11831.68,2465.58 h60
  text "SILKSCREEN COLOR:" at 10245.9,2298.58 h60
  text "X" at 11193.64,2298.58 h60
  text "WHITE" at 11320.68,2298.58 h60
  text "OTHER" at 11831.68,2298.58 h60
  text "GREEN" at 11451.68,2139.38 h60
  text "X" at 11916.64,2139.38 h60
  text "OTHER" at 12069.68,2139.38 h60
  text "RED" at 12483.07,2139.38 h60
  text "SOLDER RESIST COLOR:" at 10245.9,2128.58 h60
  text "X" at 11324.64,1969.38 h60
  text "MATTE" at 11451.68,1969.38 h60
  text "SEMI-GLOSS" at 12069.22,1968.74 h60
  text "IMMERSION GOLD (ENIG)" at 11151.68,1780.86 h60
  text "ENEPIG" at 12489.22,1777.58 h60
  text "SURFACE FINISH:" at 10090.68,1776.58 h60
  text "X" at 10964.73,1776.58 h60
  text "IMM. TIN/SILVER OR EQUIV" at 10420.22,1619.58 h60
  text "OTHER" at 11851.68,1619.58 h60
  text "ARRAY/PANEL:" at 10090.68,1440.58 h60
  text "CUT AND TRIM PER M1 BOARD OUTLINE" at 11151.68,1436.29 h60
  text "N.C. ROUTE" at 11151.68,1284.58 h60
  text "X" at 11830.68,1284.58 h60
  text "V. SCORE" at 12017.68,1284.58 h60
  text "CERTIFICATION:" at 10090.68,1147.58 h60
  text "MATERIALS AND WORKMANSHIP FOR ALL PCBS" at 10815.68,1147.58 h60
  text "TO MEET OR EXCEED THE REQUIREMENTS OF:" at 10815.68,1049.58 h60
  text "X" at 10442.18,913.07 h60
  text "ANSI IPC-A-600F CLASS ->" at 10581.18,913.07 h60
  text "X" at 12220.24,913.07 h60
  text "2" at 12339.18,913.07 h60
  text "1" at 12024.18,911.58 h60
  text "3" at 12693.18,911.57 h60
  text "X" at 11256.24,753.58 h60
  text "RoHS" at 11393.18,753.58 h60
  text "OTHER" at 12037.58,753.58 h60
  text "PER ORDER" at 12434.64,753.58 h60
  text "ALL BOARDS MUST MEET OR EXCEED UL94-V0 REQUIREMENTS." at 10118.22,587.94 h60
  text "Top Layer contains differential pair that is not required to be impedance controlled" at 2954,572 h72.83
  text "PCB MUST BEAR THE UL94V-0 UL REGISTERED MATERIAL ID NUMBER" at 10118.22,467.94 h60
  text "ADDITIONAL REQUIREMENTS:" at 10090.68,294.58 h60
  text "MICROSECTION:" at 10165.45,179.58 h60
  text "YES" at 11071.18,179.58 h60
  text "REQUIRED" at 11932.68,23.43 h60
  text "BARE BOARD ELEC. TEST:" at 10165.45,20.58 h60
  text "NONE" at 11471.18,20.58 h60
  text "X" at 11805.68,20.58 h60
  text "PER ORDER" at 12524.68,20.58 h60
  text ".Layer_Name" at -661.78,-1804.56 h60
M11 Gerber Information:
  lines w10: -1530.78,-1876.23 5069.22,-1876.23 ; -1530.78,-1672.9 5071.22,-1672.9 ; -1530.78,-1469.56 -1530.78,-2079.56 2474.22,-2079.56 5071.22,-2079.56 5071.22,-1469.56 -1530.28,-1469.56 -1530.28,-2079.56 45.22,-2079.56 ; 934.22,-2079.56 934.22,-1469.56 ; 2201.22,-1672.9 2201.22,-1469.56 ; 3041.22,-1672.9 3041.22,-1469.56 ; 3663.22,-2086.06 3663.22,-1883.23
  text "ALL ARTWORK VIEWED FROM TOP SIDE" at -1467.28,-1601.73 h60
  text "BOARD #:" at 1009.22,-1601.73 h60
  text ".PRJ_Number" at 1554.72,-1601.73 h60
  text "REV:" at 2399.22,-1601.73 h60
  text ".PCB_Rev" at 2690.72,-1601.73 h60
  text "SVN REV:" at 3237.22,-1601.73 h60
  text ".VersionControl_RevNumber" at 3743.22,-1601.73 h60
  text "LAYER NAME =" at -1467.28,-1804.56 h60
  text "TID #:" at 1009.22,-1805.06 h60
  text ".TID" at 1554.72,-1805.06 h60
  text "PLOT NAME =" at -1467.28,-2010.4 h60
  text ".plot_File_Name" at -661.78,-2010.4 h60
  text "GENERATED    :" at 1011.22,-2010.4 h60
  text ".Print_Date" at 1880.72,-2010.4 h60
  text ".Print_Time" at 2609.72,-2010.4 h60
  text "TEXAS INSTRUMENTS" at 3874.22,-2010.4 h60
M12 Stackup:
  drawing of 295 lines, arcs and shapes, not listed
  text "Layer" at 8559.06,6883.94 h60
  text "Name" at 8968.98,6883.94 h60
  text "Material" at 9898.72,6883.94 h60
  text "Thickness" at 10758.49,6883.94 h60
  text "Constant" at 11408.32,6883.94 h60
  text "Board Layer Stack" at 11978.18,6883.94 h60
  text "1" at 8559.06,6763.94 h60
  text "Top Overlay" at 8968.98,6763.94 h60
  text "2" at 8559.06,6643.94 h60
  text "Top Solder" at 8968.98,6643.94 h60
  text "Solder Resist" at 9898.72,6643.94 h60
  text "0.39mil" at 10758.49,6643.94 h60
  text "3.3" at 11408.32,6643.94 h60
  text "3" at 8559.06,6523.94 h60
  text "Top Layer" at 8968.98,6523.94 h60
  text "Copper" at 9898.72,6523.94 h60
  text "1.38mil" at 10758.49,6523.94 h60
  text "4" at 8559.06,6403.94 h60
  text "Dielectric 1" at 8968.98,6403.94 h60
  text "FR-4" at 9898.72,6403.94 h60
  text "3.94mil" at 10758.49,6403.94 h60
  text "4.3" at 11408.32,6403.94 h60
  text "5" at 8559.06,6283.94 h60
  text "GND" at 8968.98,6283.94 h60
  text "Copper" at 9898.72,6283.94 h60
  text "1.38mil" at 10758.49,6283.94 h60
  text "6" at 8559.06,6163.94 h60
  text "Dielectric 2" at 8968.98,6163.94 h60
  text "FR-4" at 9898.72,6163.94 h60
  text "47.24mil" at 10758.49,6163.94 h60
  text "4.3" at 11408.32,6163.94 h60
  text "7" at 8559.06,6043.94 h60
  text "Vcc" at 8968.98,6043.94 h60
  text "Copper" at 9898.72,6043.94 h60
  text "1.38mil" at 10758.49,6043.94 h60
  text "8" at 8559.06,5923.94 h60
  text "Dielectric 3" at 8968.98,5923.94 h60
  text "FR-4" at 9898.72,5923.94 h60
  text "3.94mil" at 10758.49,5923.94 h60
  text "4.3" at 11408.32,5923.94 h60
  text "9" at 8559.06,5803.94 h60
  text "Bottom Layer" at 8968.98,5803.94 h60
  text "Copper" at 9898.72,5803.94 h60
  text "1.38mil" at 10758.49,5803.94 h60
  text "10" at 8559.06,5683.94 h60
  text "Bottom Solder" at 8968.98,5683.94 h60
  text "Solder Resist" at 9898.72,5683.94 h60
  text "0.39mil" at 10758.49,5683.94 h60
  text "3.3" at 11408.32,5683.94 h60
  text "11" at 8559.06,5563.94 h60
  text "Bottom Overlay" at 8968.98,5563.94 h60
  text ".Layer_Name" at -661.78,-1804.56 h60
M13 Component Bodies Top:
  text ".Layer_Name" at -661.78,-1804.56 h60
M14 Component Bodies Bottom:
  text ".Layer_Name" at -661.78,-1804.56 h60
M15 Courtyards Top:
  text ".Layer_Name" at -661.78,-1804.56 h60
M16 Courtyards Bottom:
  text ".Layer_Name" at -661.78,-1804.56 h60
Drill Drawing:
  drawing of 163 lines, arcs and shapes, not listed
  text "Symbol" at 3033.17,2083.81 h72
  text "Quantity" at 3333.33,2083.81 h72
  text "Finished Hole Size" at 3665.02,2083.81 h72
  text "Plated" at 4300.87,2083.81 h72
  text "Hole Type" at 4559.67,2083.81 h72
  text "Drill Layer Pair" at 4934.42,2083.81 h72
  text "Hole Tolerance" at 5656.96,2083.81 h72
  text "4" at 3333.33,1959.78 h60
  text "35.43mil (0.900mm)" at 3665.02,1959.78 h60
  text "NPTH" at 4300.87,1959.78 h60
  text "Round" at 4559.67,1959.78 h60
  text "Top Layer - Bottom Layer" at 4934.42,1959.78 h60
  text "3" at 3333.33,1835.76 h60
  text "39.00mil (0.991mm)" at 3665.02,1835.76 h60
  text "NPTH" at 4300.87,1835.76 h60
  text "Round" at 4559.67,1835.76 h60
  text "Top Layer - Bottom Layer" at 4934.42,1835.76 h60
  text "2" at 3333.33,1711.73 h60
  text "118.11mil (3.000mm)" at 3665.02,1711.73 h60
  text "NPTH" at 4300.87,1711.73 h60
  text "Round" at 4559.67,1711.73 h60
  text "Top Layer - Bottom Layer" at 4934.42,1711.73 h60
  text "+/-0.00mil" at 5656.96,1711.73 h60
  text "4" at 3333.33,1587.7 h60
  text "125.00mil (3.175mm)" at 3665.02,1587.7 h60
  text "NPTH" at 4300.87,1587.7 h60
  text "Round" at 4559.67,1587.7 h60
  text "Top Layer - Bottom Layer" at 4934.42,1587.7 h60
  text "22" at 3333.33,1463.68 h60
  text "7.87mil (0.200mm)" at 3665.02,1463.68 h60
  text "PTH" at 4300.87,1463.68 h60
  text "Round" at 4559.67,1463.68 h60
  text "Top Layer - Bottom Layer" at 4934.42,1463.68 h60
  text "438" at 3333.33,1339.65 h60
  text "11.81mil (0.300mm)" at 3665.02,1339.65 h60
  text "PTH" at 4300.87,1339.65 h60
  text "Round" at 4559.67,1339.65 h60
  text "Top Layer - Bottom Layer" at 4934.42,1339.65 h60
  text "20" at 3333.33,1215.62 h60
  text "31.50mil (0.800mm)" at 3665.02,1215.62 h60
  text "PTH" at 4300.87,1215.62 h60
  text "Round" at 4559.67,1215.62 h60
  text "Top Layer - Bottom Layer" at 4934.42,1215.62 h60
  text "30" at 3333.33,1091.6 h60
  text "40.00mil (1.016mm)" at 3665.02,1091.6 h60
  text "PTH" at 4300.87,1091.6 h60
  text "Round" at 4559.67,1091.6 h60
  text "Top Layer - Bottom Layer" at 4934.42,1091.6 h60
  text "22" at 3333.33,967.57 h60
  text "40.16mil (1.020mm)" at 3665.02,967.57 h60
  text "PTH" at 4300.87,967.57 h60
  text "Round" at 4559.67,967.57 h60
  text "Top Layer - Bottom Layer" at 4934.42,967.57 h60
  text "2" at 3333.33,843.54 h60
  text "23.62mil (0.600mm)" at 3665.02,843.54 h60
  text "PTH" at 4300.87,843.54 h60
  text "Slot" at 4559.67,843.54 h60
  text "Top Layer - Bottom Layer" at 4934.42,843.54 h60
  text "547 Total" at 3333.33,719.52 h60
  text "Slot definitions :" at 3033.17,632.7 h60
  text "Routed Path Length" at 3482.61,632.7 h60
  text "= Calculated from tool start centre position to tool end centre position." at 4020.97,632.7 h60
  text "Hole Length" at 3482.61,583.09 h60
  text "= Routed Path Length + Tool Size = Slot length as defined in the PCB layout" at 3821.67,583.09 h60
  text ".Layer_Name" at -661.78,-1804.56 h60
Mechanical 17:
  text ".Layer_Name" at -661.78,-1804.56 h60
Mechanical 18:
  text ".Layer_Name" at -661.78,-1804.56 h60
Mechanical 19:
  text ".Layer_Name" at -661.78,-1804.56 h60

## Dimensions
-1238.78,-1346.06 to -238.78,-1346.06 on M2 Board Dimensions
0,0 to 2300,0 on M2 Board Dimensions
0,0 to 0,3100 on M2 Board Dimensions
250,150 to 2050,150 on M2 Board Dimensions

## Text inside footprints (layer, text, board x,y; h text height)
J1: Top Overlay "10" at 228,450 h30; Top Overlay "1" at 245,1520 h30
J2: Top Overlay "11" at 2033,450 h30; Top Overlay "20" at 2025,1520 h30
J3: Top Overlay "21" at 330,1520 h30
J101: Top Overlay "SBWTCK" at 1070,1558 h40 r90; Top Overlay "TXD>>" at 870,1605 h40 r90; Top Overlay "SBWTDIO" at 970,1525 h40 r90; Top Overlay "RXD<<" at 770,1605 h40 r90
Logo3: Bottom Overlay "For evaluation only; not FCC approved for resale." at 1496.06,49.21 h60
"RoHS Logo1": Bottom Overlay "Pb" at 689.17,710.21 h120